# KiCad board demo_matrix2.kicad_pcb (continued)
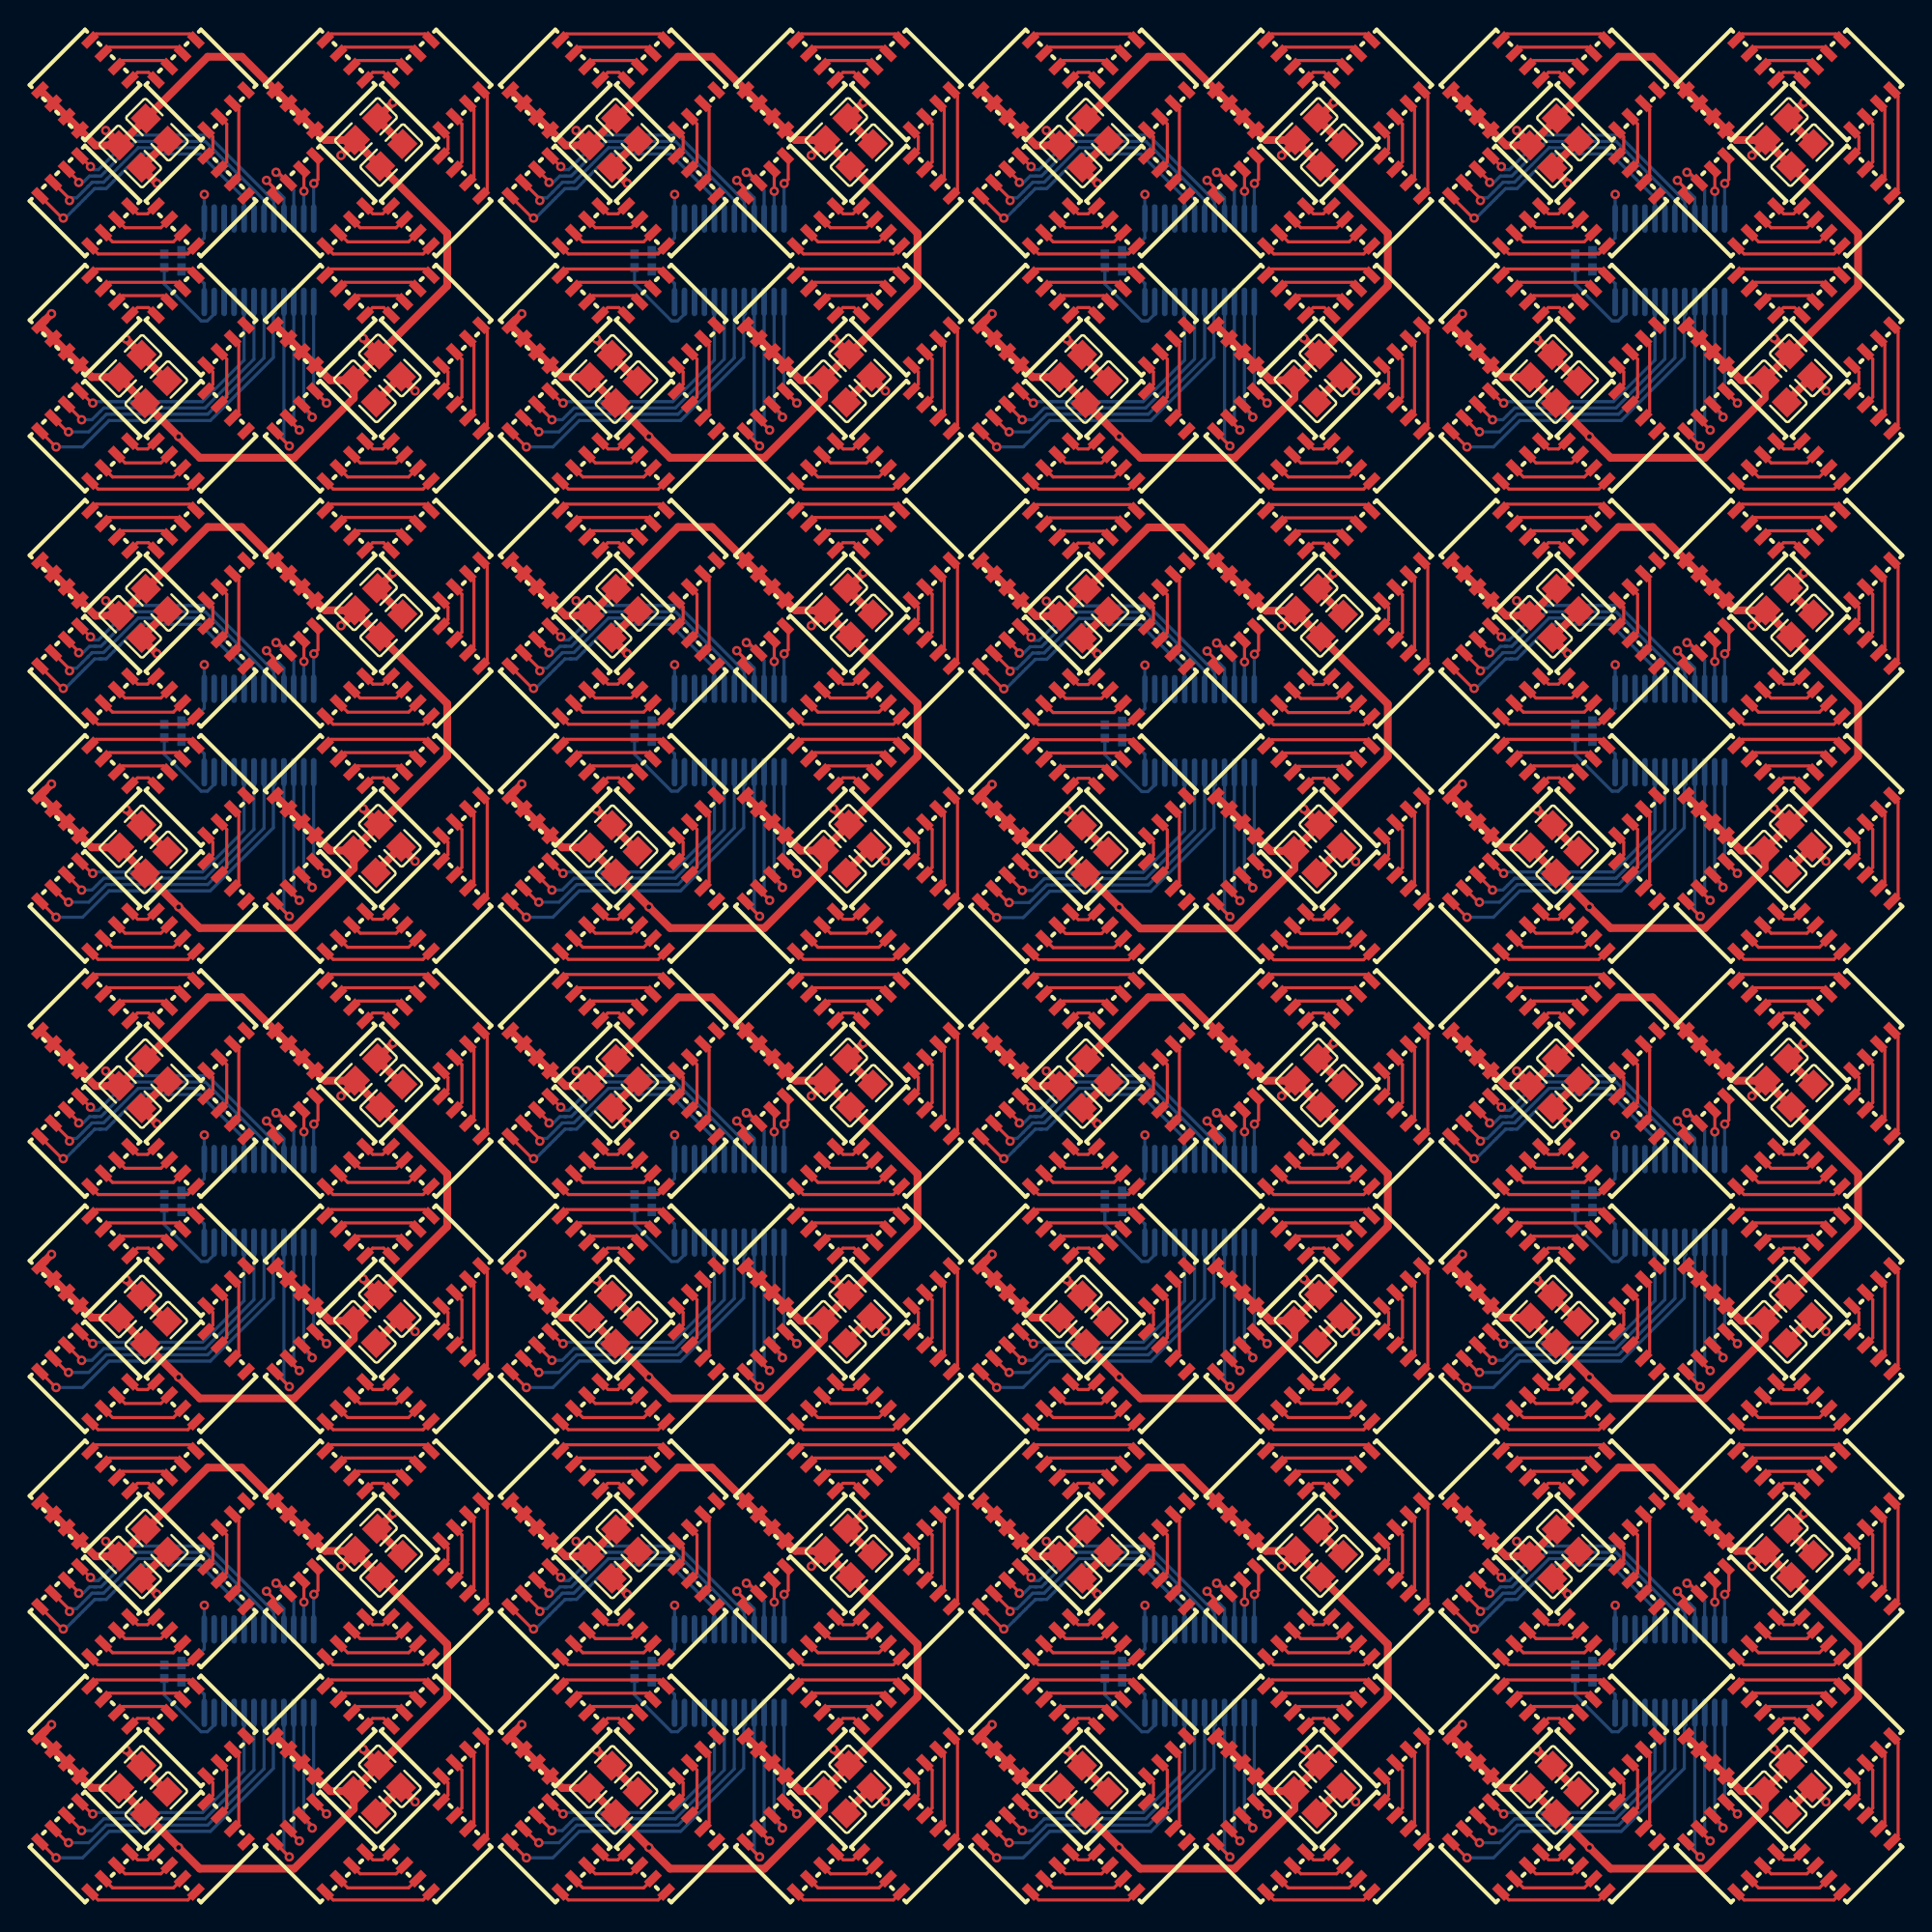
[diagram p0: board, top side]
## Placement (name value [footprint] x y rotation side) (continued)
LED131  -  [LED-SMD_8P-L5.0-W5.0-P1.20_HL-5050RGBW-S1-A27]  11.2 45 225 top
LED132  -  [LED-SMD_8P-L5.0-W5.0-P1.20_HL-5050RGBW-S1-A27]  3.8 45 135 top
LED133  -  [LED-SMD_8P-L5.0-W5.0-P1.20_HL-5050RGBW-S1-A27]  18.8 52.4 45 top
LED134  -  [LED-SMD_8P-L5.0-W5.0-P1.20_HL-5050RGBW-S1-A27]  26.2 52.4 315 top
LED135  -  [LED-SMD_8P-L5.0-W5.0-P1.20_HL-5050RGBW-S1-A27]  26.2 45 225 top
LED136  -  [LED-SMD_8P-L5.0-W5.0-P1.20_HL-5050RGBW-S1-A27]  18.8 45 135 top
LED137  -  [LED-SMD_8P-L5.0-W5.0-P1.20_HL-5050RGBW-S1-A27]  3.8 37.4 45 top
LED138  -  [LED-SMD_8P-L5.0-W5.0-P1.20_HL-5050RGBW-S1-A27]  11.2 37.4 315 top
LED139  -  [LED-SMD_8P-L5.0-W5.0-P1.20_HL-5050RGBW-S1-A27]  11.2 30 225 top
LED140  -  [LED-SMD_8P-L5.0-W5.0-P1.20_HL-5050RGBW-S1-A27]  3.8 30 135 top
LED141  -  [LED-SMD_8P-L5.0-W5.0-P1.20_HL-5050RGBW-S1-A27]  18.8 37.4 45 top
LED142  -  [LED-SMD_8P-L5.0-W5.0-P1.20_HL-5050RGBW-S1-A27]  26.2 37.4 315 top
LED143  -  [LED-SMD_8P-L5.0-W5.0-P1.20_HL-5050RGBW-S1-A27]  26.2 30 225 top
LED144  -  [LED-SMD_8P-L5.0-W5.0-P1.20_HL-5050RGBW-S1-A27]  18.8 30 135 top
LED145  -  [LED-SMD_8P-L5.0-W5.0-P1.20_HL-5050RGBW-S1-A27]  33.8 52.4 45 top
LED146  -  [LED-SMD_8P-L5.0-W5.0-P1.20_HL-5050RGBW-S1-A27]  41.2 52.4 315 top
LED147  -  [LED-SMD_8P-L5.0-W5.0-P1.20_HL-5050RGBW-S1-A27]  41.2 45 225 top
LED148  -  [LED-SMD_8P-L5.0-W5.0-P1.20_HL-5050RGBW-S1-A27]  33.8 45 135 top
LED149  -  [LED-SMD_8P-L5.0-W5.0-P1.20_HL-5050RGBW-S1-A27]  48.8 52.4 45 top
LED150  -  [LED-SMD_8P-L5.0-W5.0-P1.20_HL-5050RGBW-S1-A27]  56.2 52.4 315 top
LED151  -  [LED-SMD_8P-L5.0-W5.0-P1.20_HL-5050RGBW-S1-A27]  56.2 45 225 top
LED152  -  [LED-SMD_8P-L5.0-W5.0-P1.20_HL-5050RGBW-S1-A27]  48.8 45 135 top
LED153  -  [LED-SMD_8P-L5.0-W5.0-P1.20_HL-5050RGBW-S1-A27]  33.8 37.4 45 top
LED154  -  [LED-SMD_8P-L5.0-W5.0-P1.20_HL-5050RGBW-S1-A27]  41.2 37.4 315 top
LED155  -  [LED-SMD_8P-L5.0-W5.0-P1.20_HL-5050RGBW-S1-A27]  41.2 30 225 top
LED156  -  [LED-SMD_8P-L5.0-W5.0-P1.20_HL-5050RGBW-S1-A27]  33.8 30 135 top
LED157  -  [LED-SMD_8P-L5.0-W5.0-P1.20_HL-5050RGBW-S1-A27]  48.8 37.4 45 top
LED158  -  [LED-SMD_8P-L5.0-W5.0-P1.20_HL-5050RGBW-S1-A27]  56.2 37.4 315 top
LED159  -  [LED-SMD_8P-L5.0-W5.0-P1.20_HL-5050RGBW-S1-A27]  56.2 30 225 top
LED160  -  [LED-SMD_8P-L5.0-W5.0-P1.20_HL-5050RGBW-S1-A27]  48.8 30 135 top
LED161  -  [LED-SMD_8P-L5.0-W5.0-P1.20_HL-5050RGBW-S1-A27]  63.8 52.4 45 top
LED162  -  [LED-SMD_8P-L5.0-W5.0-P1.20_HL-5050RGBW-S1-A27]  71.2 52.4 315 top
LED163  -  [LED-SMD_8P-L5.0-W5.0-P1.20_HL-5050RGBW-S1-A27]  71.2 45 225 top
LED164  -  [LED-SMD_8P-L5.0-W5.0-P1.20_HL-5050RGBW-S1-A27]  63.8 45 135 top
LED165  -  [LED-SMD_8P-L5.0-W5.0-P1.20_HL-5050RGBW-S1-A27]  78.8 52.4 45 top
LED166  -  [LED-SMD_8P-L5.0-W5.0-P1.20_HL-5050RGBW-S1-A27]  86.2 52.4 315 top
LED167  -  [LED-SMD_8P-L5.0-W5.0-P1.20_HL-5050RGBW-S1-A27]  86.2 45 225 top
LED168  -  [LED-SMD_8P-L5.0-W5.0-P1.20_HL-5050RGBW-S1-A27]  78.8 45 135 top
LED169  -  [LED-SMD_8P-L5.0-W5.0-P1.20_HL-5050RGBW-S1-A27]  63.8 37.4 45 top
LED170  -  [LED-SMD_8P-L5.0-W5.0-P1.20_HL-5050RGBW-S1-A27]  71.2 37.4 315 top
LED171  -  [LED-SMD_8P-L5.0-W5.0-P1.20_HL-5050RGBW-S1-A27]  71.2 30 225 top
LED172  -  [LED-SMD_8P-L5.0-W5.0-P1.20_HL-5050RGBW-S1-A27]  63.8 30 135 top
LED173  -  [LED-SMD_8P-L5.0-W5.0-P1.20_HL-5050RGBW-S1-A27]  78.8 37.4 45 top
LED174  -  [LED-SMD_8P-L5.0-W5.0-P1.20_HL-5050RGBW-S1-A27]  86.2 37.4 315 top
LED175  -  [LED-SMD_8P-L5.0-W5.0-P1.20_HL-5050RGBW-S1-A27]  86.2 30 225 top
LED176  -  [LED-SMD_8P-L5.0-W5.0-P1.20_HL-5050RGBW-S1-A27]  78.8 30 135 top
LED177  -  [LED-SMD_8P-L5.0-W5.0-P1.20_HL-5050RGBW-S1-A27]  93.8 52.4 45 top
LED178  -  [LED-SMD_8P-L5.0-W5.0-P1.20_HL-5050RGBW-S1-A27]  101.2 52.4 315 top
LED179  -  [LED-SMD_8P-L5.0-W5.0-P1.20_HL-5050RGBW-S1-A27]  101.2 45 225 top
LED180  -  [LED-SMD_8P-L5.0-W5.0-P1.20_HL-5050RGBW-S1-A27]  93.8 45 135 top
LED181  -  [LED-SMD_8P-L5.0-W5.0-P1.20_HL-5050RGBW-S1-A27]  108.8 52.4 45 top
LED182  -  [LED-SMD_8P-L5.0-W5.0-P1.20_HL-5050RGBW-S1-A27]  116.2 52.4 315 top
LED183  -  [LED-SMD_8P-L5.0-W5.0-P1.20_HL-5050RGBW-S1-A27]  116.2 45 225 top
LED184  -  [LED-SMD_8P-L5.0-W5.0-P1.20_HL-5050RGBW-S1-A27]  108.8 45 135 top
LED185  -  [LED-SMD_8P-L5.0-W5.0-P1.20_HL-5050RGBW-S1-A27]  93.8 37.4 45 top
LED186  -  [LED-SMD_8P-L5.0-W5.0-P1.20_HL-5050RGBW-S1-A27]  101.2 37.4 315 top
LED187  -  [LED-SMD_8P-L5.0-W5.0-P1.20_HL-5050RGBW-S1-A27]  101.2 30 225 top
LED188  -  [LED-SMD_8P-L5.0-W5.0-P1.20_HL-5050RGBW-S1-A27]  93.8 30 135 top
LED189  -  [LED-SMD_8P-L5.0-W5.0-P1.20_HL-5050RGBW-S1-A27]  108.8 37.4 45 top
LED190  -  [LED-SMD_8P-L5.0-W5.0-P1.20_HL-5050RGBW-S1-A27]  116.2 37.4 315 top
LED191  -  [LED-SMD_8P-L5.0-W5.0-P1.20_HL-5050RGBW-S1-A27]  116.2 30 225 top
LED192  -  [LED-SMD_8P-L5.0-W5.0-P1.20_HL-5050RGBW-S1-A27]  108.8 30 135 top
LED193  -  [LED-SMD_8P-L5.0-W5.0-P1.20_HL-5050RGBW-S1-A27]  93.8 22.4 45 top
LED194  -  [LED-SMD_8P-L5.0-W5.0-P1.20_HL-5050RGBW-S1-A27]  101.2 22.4 315 top
LED195  -  [LED-SMD_8P-L5.0-W5.0-P1.20_HL-5050RGBW-S1-A27]  101.2 15 225 top
LED196  -  [LED-SMD_8P-L5.0-W5.0-P1.20_HL-5050RGBW-S1-A27]  93.8 15 135 top
LED197  -  [LED-SMD_8P-L5.0-W5.0-P1.20_HL-5050RGBW-S1-A27]  108.8 22.4 45 top
LED198  -  [LED-SMD_8P-L5.0-W5.0-P1.20_HL-5050RGBW-S1-A27]  116.2 22.4 315 top
LED199  -  [LED-SMD_8P-L5.0-W5.0-P1.20_HL-5050RGBW-S1-A27]  116.2 15 225 top
LED200  -  [LED-SMD_8P-L5.0-W5.0-P1.20_HL-5050RGBW-S1-A27]  108.8 15 135 top
LED201  -  [LED-SMD_8P-L5.0-W5.0-P1.20_HL-5050RGBW-S1-A27]  93.8 7.4 45 top
LED202  -  [LED-SMD_8P-L5.0-W5.0-P1.20_HL-5050RGBW-S1-A27]  101.2 7.4 315 top
LED203  -  [LED-SMD_8P-L5.0-W5.0-P1.20_HL-5050RGBW-S1-A27]  101.2 0 225 top
LED204  -  [LED-SMD_8P-L5.0-W5.0-P1.20_HL-5050RGBW-S1-A27]  93.8 0 135 top
LED205  -  [LED-SMD_8P-L5.0-W5.0-P1.20_HL-5050RGBW-S1-A27]  108.8 7.4 45 top
LED206  -  [LED-SMD_8P-L5.0-W5.0-P1.20_HL-5050RGBW-S1-A27]  116.2 7.4 315 top
LED207  -  [LED-SMD_8P-L5.0-W5.0-P1.20_HL-5050RGBW-S1-A27]  116.2 0 225 top
LED208  -  [LED-SMD_8P-L5.0-W5.0-P1.20_HL-5050RGBW-S1-A27]  108.8 0 135 top
LED209  -  [LED-SMD_8P-L5.0-W5.0-P1.20_HL-5050RGBW-S1-A27]  63.8 22.4 45 top
LED210  -  [LED-SMD_8P-L5.0-W5.0-P1.20_HL-5050RGBW-S1-A27]  71.2 22.4 315 top
LED211  -  [LED-SMD_8P-L5.0-W5.0-P1.20_HL-5050RGBW-S1-A27]  71.2 15 225 top
LED212  -  [LED-SMD_8P-L5.0-W5.0-P1.20_HL-5050RGBW-S1-A27]  63.8 15 135 top
LED213  -  [LED-SMD_8P-L5.0-W5.0-P1.20_HL-5050RGBW-S1-A27]  78.8 22.4 45 top
LED214  -  [LED-SMD_8P-L5.0-W5.0-P1.20_HL-5050RGBW-S1-A27]  86.2 22.4 315 top
LED215  -  [LED-SMD_8P-L5.0-W5.0-P1.20_HL-5050RGBW-S1-A27]  86.2 15 225 top
LED216  -  [LED-SMD_8P-L5.0-W5.0-P1.20_HL-5050RGBW-S1-A27]  78.8 15 135 top
LED217  -  [LED-SMD_8P-L5.0-W5.0-P1.20_HL-5050RGBW-S1-A27]  63.8 7.4 45 top
LED218  -  [LED-SMD_8P-L5.0-W5.0-P1.20_HL-5050RGBW-S1-A27]  71.2 7.4 315 top
LED219  -  [LED-SMD_8P-L5.0-W5.0-P1.20_HL-5050RGBW-S1-A27]  71.2 0 225 top
LED220  -  [LED-SMD_8P-L5.0-W5.0-P1.20_HL-5050RGBW-S1-A27]  63.8 0 135 top
LED221  -  [LED-SMD_8P-L5.0-W5.0-P1.20_HL-5050RGBW-S1-A27]  78.8 7.4 45 top
LED222  -  [LED-SMD_8P-L5.0-W5.0-P1.20_HL-5050RGBW-S1-A27]  86.2 7.4 315 top
LED223  -  [LED-SMD_8P-L5.0-W5.0-P1.20_HL-5050RGBW-S1-A27]  86.2 0 225 top
LED224  -  [LED-SMD_8P-L5.0-W5.0-P1.20_HL-5050RGBW-S1-A27]  78.8 0 135 top
LED225  -  [LED-SMD_8P-L5.0-W5.0-P1.20_HL-5050RGBW-S1-A27]  33.8 22.4 45 top
LED226  -  [LED-SMD_8P-L5.0-W5.0-P1.20_HL-5050RGBW-S1-A27]  41.2 22.4 315 top
LED227  -  [LED-SMD_8P-L5.0-W5.0-P1.20_HL-5050RGBW-S1-A27]  41.2 15 225 top
LED228  -  [LED-SMD_8P-L5.0-W5.0-P1.20_HL-5050RGBW-S1-A27]  33.8 15 135 top
LED229  -  [LED-SMD_8P-L5.0-W5.0-P1.20_HL-5050RGBW-S1-A27]  48.8 22.4 45 top
LED230  -  [LED-SMD_8P-L5.0-W5.0-P1.20_HL-5050RGBW-S1-A27]  56.2 22.4 315 top
LED231  -  [LED-SMD_8P-L5.0-W5.0-P1.20_HL-5050RGBW-S1-A27]  56.2 15 225 top
LED232  -  [LED-SMD_8P-L5.0-W5.0-P1.20_HL-5050RGBW-S1-A27]  48.8 15 135 top
LED233  -  [LED-SMD_8P-L5.0-W5.0-P1.20_HL-5050RGBW-S1-A27]  33.8 7.4 45 top
LED234  -  [LED-SMD_8P-L5.0-W5.0-P1.20_HL-5050RGBW-S1-A27]  41.2 7.4 315 top
LED235  -  [LED-SMD_8P-L5.0-W5.0-P1.20_HL-5050RGBW-S1-A27]  41.2 0 225 top
LED236  -  [LED-SMD_8P-L5.0-W5.0-P1.20_HL-5050RGBW-S1-A27]  33.8 0 135 top
LED237  -  [LED-SMD_8P-L5.0-W5.0-P1.20_HL-5050RGBW-S1-A27]  48.8 7.4 45 top
LED238  -  [LED-SMD_8P-L5.0-W5.0-P1.20_HL-5050RGBW-S1-A27]  56.2 7.4 315 top
LED239  -  [LED-SMD_8P-L5.0-W5.0-P1.20_HL-5050RGBW-S1-A27]  56.2 0 225 top
LED240  -  [LED-SMD_8P-L5.0-W5.0-P1.20_HL-5050RGBW-S1-A27]  48.8 0 135 top
LED241  -  [LED-SMD_8P-L5.0-W5.0-P1.20_HL-5050RGBW-S1-A27]  3.8 22.4 45 top
LED242  -  [LED-SMD_8P-L5.0-W5.0-P1.20_HL-5050RGBW-S1-A27]  11.2 22.4 315 top
LED243  -  [LED-SMD_8P-L5.0-W5.0-P1.20_HL-5050RGBW-S1-A27]  11.2 15 225 top
LED244  -  [LED-SMD_8P-L5.0-W5.0-P1.20_HL-5050RGBW-S1-A27]  3.8 15 135 top
LED245  -  [LED-SMD_8P-L5.0-W5.0-P1.20_HL-5050RGBW-S1-A27]  18.8 22.4 45 top
LED246  -  [LED-SMD_8P-L5.0-W5.0-P1.20_HL-5050RGBW-S1-A27]  26.2 22.4 315 top
LED247  -  [LED-SMD_8P-L5.0-W5.0-P1.20_HL-5050RGBW-S1-A27]  26.2 15 225 top
LED248  -  [LED-SMD_8P-L5.0-W5.0-P1.20_HL-5050RGBW-S1-A27]  18.8 15 135 top
LED249  -  [LED-SMD_8P-L5.0-W5.0-P1.20_HL-5050RGBW-S1-A27]  3.8 7.4 45 top
LED250  -  [LED-SMD_8P-L5.0-W5.0-P1.20_HL-5050RGBW-S1-A27]  11.2 7.4 315 top
LED251  -  [LED-SMD_8P-L5.0-W5.0-P1.20_HL-5050RGBW-S1-A27]  11.2 0 225 top
LED252  -  [LED-SMD_8P-L5.0-W5.0-P1.20_HL-5050RGBW-S1-A27]  3.8 0 135 top
LED253  -  [LED-SMD_8P-L5.0-W5.0-P1.20_HL-5050RGBW-S1-A27]  18.8 7.4 45 top
LED254  -  [LED-SMD_8P-L5.0-W5.0-P1.20_HL-5050RGBW-S1-A27]  26.2 7.4 315 top
LED255  -  [LED-SMD_8P-L5.0-W5.0-P1.20_HL-5050RGBW-S1-A27]  26.2 0 225 top
LED256  -  [LED-SMD_8P-L5.0-W5.0-P1.20_HL-5050RGBW-S1-A27]  18.8 0 135 top
R1  10kΩ ±1% 62.5mW  [R0402]  8.86 101.18 90 bottom
R2  10kΩ ±1% 62.5mW  [R0402]  38.86 101.18 90 bottom
R3  10kΩ ±1% 62.5mW  [R0402]  68.86 101.18 90 bottom
R4  10kΩ ±1% 62.5mW  [R0402]  98.86 101.18 90 bottom
R5  10kΩ ±1% 62.5mW  [R0402]  98.86 71.18 90 bottom
R6  10kΩ ±1% 62.5mW  [R0402]  68.86 71.16 90 bottom
R7  10kΩ ±1% 62.5mW  [R0402]  38.86 71.18 90 bottom
R8  10kΩ ±1% 62.5mW  [R0402]  8.86 71.18 90 bottom
R9  10kΩ ±1% 62.5mW  [R0402]  8.86 41.18 90 bottom
R10  10kΩ ±1% 62.5mW  [R0402]  38.86 41.18 90 bottom
R11  10kΩ ±1% 62.5mW  [R0402]  68.86 41.18 90 bottom
R12  10kΩ ±1% 62.5mW  [R0402]  98.86 41.18 90 bottom
R13  10kΩ ±1% 62.5mW  [R0402]  98.86 11.18 90 bottom
R14  10kΩ ±1% 62.5mW  [R0402]  68.86 11.18 90 bottom
R15  10kΩ ±1% 62.5mW  [R0402]  38.86 11.18 90 bottom
R16  10kΩ ±1% 62.5mW  [R0402]  8.86 11.18 90 bottom
U1  -  [SSOP-24_L8.8-W4.0-P0.64-LS6.2-BL]  14.9 101.22 0 bottom
U2  -  [pixel15]  0 116.2 0 top
U3  -  [pixel15]  15 116.2 0 top
U4  -  [pixel15]  0 101.2 0 top
U5  -  [pixel15]  15 101.2 0 top
U6  -  [SSOP-24_L8.8-W4.0-P0.64-LS6.2-BL]  44.9 101.22 0 bottom
U7  -  [pixel15]  30 116.2 0 top
U8  -  [pixel15]  45 116.2 0 top
U9  -  [pixel15]  30 101.2 0 top
U10  -  [pixel15]  45 101.2 0 top
U11  -  [SSOP-24_L8.8-W4.0-P0.64-LS6.2-BL]  74.9 101.22 0 bottom
U12  -  [pixel15]  60 116.2 0 top
U13  -  [pixel15]  75 116.2 0 top
U14  -  [pixel15]  60 101.2 0 top
U15  -  [pixel15]  75 101.2 0 top
U16  -  [SSOP-24_L8.8-W4.0-P0.64-LS6.2-BL]  104.9 101.22 0 bottom
U17  -  [pixel15]  90 116.2 0 top
U18  -  [pixel15]  105 116.2 0 top
U19  -  [pixel15]  90 101.2 0 top
U20  -  [pixel15]  105 101.2 0 top
U21  -  [SSOP-24_L8.8-W4.0-P0.64-LS6.2-BL]  104.9 71.22 0 bottom
U22  -  [pixel15]  90 86.2 0 top
U23  -  [pixel15]  105 86.2 0 top
U24  -  [pixel15]  90 71.2 0 top
U25  -  [pixel15]  105 71.2 0 top
U26  -  [SSOP-24_L8.8-W4.0-P0.64-LS6.2-BL]  74.9 71.2 0 bottom
U27  -  [pixel15]  60 86.17 0 top
U28  -  [pixel15]  75 86.17 0 top
U29  -  [pixel15]  60 71.17 0 top
U30  -  [pixel15]  75 71.17 0 top
U31  -  [SSOP-24_L8.8-W4.0-P0.64-LS6.2-BL]  44.9 71.22 0 bottom
U32  -  [pixel15]  30 86.2 0 top
U33  -  [pixel15]  45 86.2 0 top
U34  -  [pixel15]  30 71.2 0 top
U35  -  [pixel15]  45 71.2 0 top
U36  -  [SSOP-24_L8.8-W4.0-P0.64-LS6.2-BL]  14.9 71.22 0 bottom
U37  -  [pixel15]  0 86.2 0 top
U38  -  [pixel15]  15 86.2 0 top
U39  -  [pixel15]  0 71.2 0 top
U40  -  [pixel15]  15 71.2 0 top
U41  -  [SSOP-24_L8.8-W4.0-P0.64-LS6.2-BL]  14.9 41.22 0 bottom
U42  -  [pixel15]  0 56.2 0 top
U43  -  [pixel15]  15 56.2 0 top
U44  -  [pixel15]  0 41.2 0 top
U45  -  [pixel15]  15 41.2 0 top
U46  -  [SSOP-24_L8.8-W4.0-P0.64-LS6.2-BL]  44.9 41.22 0 bottom
U47  -  [pixel15]  30 56.2 0 top
U48  -  [pixel15]  45 56.2 0 top
U49  -  [pixel15]  30 41.2 0 top
U50  -  [pixel15]  45 41.2 0 top
U51  -  [SSOP-24_L8.8-W4.0-P0.64-LS6.2-BL]  74.9 41.22 0 bottom
U52  -  [pixel15]  60 56.2 0 top
U53  -  [pixel15]  75 56.2 0 top
U54  -  [pixel15]  60 41.2 0 top
U55  -  [pixel15]  75 41.2 0 top
U56  -  [SSOP-24_L8.8-W4.0-P0.64-LS6.2-BL]  104.9 41.22 0 bottom
U57  -  [pixel15]  90 56.2 0 top
U58  -  [pixel15]  105 56.2 0 top
U59  -  [pixel15]  90 41.2 0 top
U60  -  [pixel15]  105 41.2 0 top
U61  -  [SSOP-24_L8.8-W4.0-P0.64-LS6.2-BL]  104.9 11.22 0 bottom
U62  -  [pixel15]  90 26.2 0 top
U63  -  [pixel15]  105 26.2 0 top
U64  -  [pixel15]  90 11.2 0 top
U65  -  [pixel15]  105 11.2 0 top
U66  -  [SSOP-24_L8.8-W4.0-P0.64-LS6.2-BL]  74.9 11.22 0 bottom
U67  -  [pixel15]  60 26.2 0 top
U68  -  [pixel15]  75 26.2 0 top
U69  -  [pixel15]  60 11.2 0 top
U70  -  [pixel15]  75 11.2 0 top
U71  -  [SSOP-24_L8.8-W4.0-P0.64-LS6.2-BL]  44.9 11.22 0 bottom
U72  -  [pixel15]  30 26.2 0 top
U73  -  [pixel15]  45 26.2 0 top
U74  -  [pixel15]  30 11.2 0 top
U75  -  [pixel15]  45 11.2 0 top
U76  -  [SSOP-24_L8.8-W4.0-P0.64-LS6.2-BL]  14.9 11.22 0 bottom
U77  -  [pixel15]  0 26.2 0 top
U78  -  [pixel15]  15 26.2 0 top
U79  -  [pixel15]  0 11.2 0 top
U80  -  [pixel15]  15 11.2 0 top

## Library data of the parts
C1 = -: Datasheet: https://www.lcsc.com/datasheet/lcsc_datasheet_2304140030_Samsung-Electro-Mechanics-CL21A106KAYNNNE_C15850.pdf; checksum: 2efee64587c296a5cd0f3e349ce7cd0fc1c47f181b6484f8010775e222db87f5; __atopile_lib_fp_hash__: c5a05aaf-b100-3f7c-5a0c-497c1d001f05; LCSC: C15850; Manufacturer: Samsung Electro-Mechanics; Partnumber: CL21A106KAYNNNE; PARAM_capacitance: {"type": "Quantity_Interval_Disjoint", "data": {"intervals": {"type": "Numeric_Interval_Disjoint", "data": {"intervals": [{"type": "Numeric_Interval", "data": {"min": 8.999999985e-06, "max": 1.1000000015e-05}}]}}, "unit": "farad"}}; PARAM_max_voltage: {"type": "Quantity_Set_Discrete", "data": {"intervals": {"type": "Numeric_Interval_Disjoint", "data": {"intervals": [{"type": "Numeric_Interval", "data": {"min": 25.0, "max": 25.0}}]}}, "unit": "volt"}}; PARAM_temperature_coefficient: {"type": "EnumSet", "data": {"elements": [{"name": "X5R"}], "enum": {"name": "TemperatureCoefficient", "values": {"Y5V": 1, "Z5U": 2, "X7S": 3, "X5R": 4, "X6R": 5, "X7R": 6, "X8R": 7, "C0G": 8}}}}; atopile_address: clusters[0].decoupling_capacitors[0]; atopile_subaddresses: [elec/layout/cluster2x2/cluster2x2.kicad_pcb:decoupling_capacitors[0]]
C2 = -: Datasheet: https://www.lcsc.com/datasheet/lcsc_datasheet_2304140030_Samsung-Electro-Mechanics-CL21A106KAYNNNE_C15850.pdf; checksum: 2efee64587c296a5cd0f3e349ce7cd0fc1c47f181b6484f8010775e222db87f5; __atopile_lib_fp_hash__: c5a05aaf-b100-3f7c-5a0c-497c1d001f05; LCSC: C15850; Manufacturer: Samsung Electro-Mechanics; Partnumber: CL21A106KAYNNNE; PARAM_capacitance: {"type": "Quantity_Interval_Disjoint", "data": {"intervals": {"type": "Numeric_Interval_Disjoint", "data": {"intervals": [{"type": "Numeric_Interval", "data": {"min": 8.999999985e-06, "max": 1.1000000015e-05}}]}}, "unit": "farad"}}; PARAM_max_voltage: {"type": "Quantity_Set_Discrete", "data": {"intervals": {"type": "Numeric_Interval_Disjoint", "data": {"intervals": [{"type": "Numeric_Interval", "data": {"min": 25.0, "max": 25.0}}]}}, "unit": "volt"}}; PARAM_temperature_coefficient: {"type": "EnumSet", "data": {"elements": [{"name": "X5R"}], "enum": {"name": "TemperatureCoefficient", "values": {"Y5V": 1, "Z5U": 2, "X7S": 3, "X5R": 4, "X6R": 5, "X7R": 6, "X8R": 7, "C0G": 8}}}}; atopile_address: clusters[0].decoupling_capacitors[1]; atopile_subaddresses: [elec/layout/cluster2x2/cluster2x2.kicad_pcb:decoupling_capacitors[1]]
C3 = -: Datasheet: https://www.lcsc.com/datasheet/lcsc_datasheet_2304140030_Samsung-Electro-Mechanics-CL21A106KAYNNNE_C15850.pdf; checksum: 2efee64587c296a5cd0f3e349ce7cd0fc1c47f181b6484f8010775e222db87f5; __atopile_lib_fp_hash__: c5a05aaf-b100-3f7c-5a0c-497c1d001f05; LCSC: C15850; Manufacturer: Samsung Electro-Mechanics; Partnumber: CL21A106KAYNNNE; PARAM_capacitance: {"type": "Quantity_Interval_Disjoint", "data": {"intervals": {"type": "Numeric_Interval_Disjoint", "data": {"intervals": [{"type": "Numeric_Interval", "data": {"min": 8.999999985e-06, "max": 1.1000000015e-05}}]}}, "unit": "farad"}}; PARAM_max_voltage: {"type": "Quantity_Set_Discrete", "data": {"intervals": {"type": "Numeric_Interval_Disjoint", "data": {"intervals": [{"type": "Numeric_Interval", "data": {"min": 25.0, "max": 25.0}}]}}, "unit": "volt"}}; PARAM_temperature_coefficient: {"type": "EnumSet", "data": {"elements": [{"name": "X5R"}], "enum": {"name": "TemperatureCoefficient", "values": {"Y5V": 1, "Z5U": 2, "X7S": 3, "X5R": 4, "X6R": 5, "X7R": 6, "X8R": 7, "C0G": 8}}}}; atopile_address: clusters[0].decoupling_capacitors[2]; atopile_subaddresses: [elec/layout/cluster2x2/cluster2x2.kicad_pcb:decoupling_capacitors[2]]
C4 = -: Datasheet: https://www.lcsc.com/datasheet/lcsc_datasheet_2304140030_Samsung-Electro-Mechanics-CL21A106KAYNNNE_C15850.pdf; checksum: 2efee64587c296a5cd0f3e349ce7cd0fc1c47f181b6484f8010775e222db87f5; __atopile_lib_fp_hash__: c5a05aaf-b100-3f7c-5a0c-497c1d001f05; LCSC: C15850; Manufacturer: Samsung Electro-Mechanics; Partnumber: CL21A106KAYNNNE; PARAM_capacitance: {"type": "Quantity_Interval_Disjoint", "data": {"intervals": {"type": "Numeric_Interval_Disjoint", "data": {"intervals": [{"type": "Numeric_Interval", "data": {"min": 8.999999985e-06, "max": 1.1000000015e-05}}]}}, "unit": "farad"}}; PARAM_max_voltage: {"type": "Quantity_Set_Discrete", "data": {"intervals": {"type": "Numeric_Interval_Disjoint", "data": {"intervals": [{"type": "Numeric_Interval", "data": {"min": 25.0, "max": 25.0}}]}}, "unit": "volt"}}; PARAM_temperature_coefficient: {"type": "EnumSet", "data": {"elements": [{"name": "X5R"}], "enum": {"name": "TemperatureCoefficient", "values": {"Y5V": 1, "Z5U": 2, "X7S": 3, "X5R": 4, "X6R": 5, "X7R": 6, "X8R": 7, "C0G": 8}}}}; atopile_address: clusters[0].decoupling_capacitors[3]; atopile_subaddresses: [elec/layout/cluster2x2/cluster2x2.kicad_pcb:decoupling_capacitors[3]]
C5 = -: Datasheet: https://www.lcsc.com/datasheet/lcsc_datasheet_2304140030_Samsung-Electro-Mechanics-CL21A106KAYNNNE_C15850.pdf; checksum: 2efee64587c296a5cd0f3e349ce7cd0fc1c47f181b6484f8010775e222db87f5; __atopile_lib_fp_hash__: c5a05aaf-b100-3f7c-5a0c-497c1d001f05; LCSC: C15850; Manufacturer: Samsung Electro-Mechanics; Partnumber: CL21A106KAYNNNE; PARAM_capacitance: {"type": "Quantity_Interval_Disjoint", "data": {"intervals": {"type": "Numeric_Interval_Disjoint", "data": {"intervals": [{"type": "Numeric_Interval", "data": {"min": 8.999999985e-06, "max": 1.1000000015e-05}}]}}, "unit": "farad"}}; PARAM_max_voltage: {"type": "Quantity_Set_Discrete", "data": {"intervals": {"type": "Numeric_Interval_Disjoint", "data": {"intervals": [{"type": "Numeric_Interval", "data": {"min": 25.0, "max": 25.0}}]}}, "unit": "volt"}}; PARAM_temperature_coefficient: {"type": "EnumSet", "data": {"elements": [{"name": "X5R"}], "enum": {"name": "TemperatureCoefficient", "values": {"Y5V": 1, "Z5U": 2, "X7S": 3, "X5R": 4, "X6R": 5, "X7R": 6, "X8R": 7, "C0G": 8}}}}; atopile_address: clusters[0].decoupling_capacitors[4]; atopile_subaddresses: [elec/layout/cluster2x2/cluster2x2.kicad_pcb:decoupling_capacitors[4]]
C6 = -: Datasheet: https://www.lcsc.com/datasheet/lcsc_datasheet_2304140030_Samsung-Electro-Mechanics-CL21A106KAYNNNE_C15850.pdf; checksum: 2efee64587c296a5cd0f3e349ce7cd0fc1c47f181b6484f8010775e222db87f5; __atopile_lib_fp_hash__: c5a05aaf-b100-3f7c-5a0c-497c1d001f05; LCSC: C15850; Manufacturer: Samsung Electro-Mechanics; Partnumber: CL21A106KAYNNNE; PARAM_capacitance: {"type": "Quantity_Interval_Disjoint", "data": {"intervals": {"type": "Numeric_Interval_Disjoint", "data": {"intervals": [{"type": "Numeric_Interval", "data": {"min": 8.999999985e-06, "max": 1.1000000015e-05}}]}}, "unit": "farad"}}; PARAM_max_voltage: {"type": "Quantity_Set_Discrete", "data": {"intervals": {"type": "Numeric_Interval_Disjoint", "data": {"intervals": [{"type": "Numeric_Interval", "data": {"min": 25.0, "max": 25.0}}]}}, "unit": "volt"}}; PARAM_temperature_coefficient: {"type": "EnumSet", "data": {"elements": [{"name": "X5R"}], "enum": {"name": "TemperatureCoefficient", "values": {"Y5V": 1, "Z5U": 2, "X7S": 3, "X5R": 4, "X6R": 5, "X7R": 6, "X8R": 7, "C0G": 8}}}}; atopile_address: clusters[0].decoupling_capacitors[5]; atopile_subaddresses: [elec/layout/cluster2x2/cluster2x2.kicad_pcb:decoupling_capacitors[5]]
C7 = -: Datasheet: https://www.lcsc.com/datasheet/lcsc_datasheet_2304140030_Samsung-Electro-Mechanics-CL21A106KAYNNNE_C15850.pdf; checksum: 2efee64587c296a5cd0f3e349ce7cd0fc1c47f181b6484f8010775e222db87f5; __atopile_lib_fp_hash__: c5a05aaf-b100-3f7c-5a0c-497c1d001f05; LCSC: C15850; Manufacturer: Samsung Electro-Mechanics; Partnumber: CL21A106KAYNNNE; PARAM_capacitance: {"type": "Quantity_Interval_Disjoint", "data": {"intervals": {"type": "Numeric_Interval_Disjoint", "data": {"intervals": [{"type": "Numeric_Interval", "data": {"min": 8.999999985e-06, "max": 1.1000000015e-05}}]}}, "unit": "farad"}}; PARAM_max_voltage: {"type": "Quantity_Set_Discrete", "data": {"intervals": {"type": "Numeric_Interval_Disjoint", "data": {"intervals": [{"type": "Numeric_Interval", "data": {"min": 25.0, "max": 25.0}}]}}, "unit": "volt"}}; PARAM_temperature_coefficient: {"type": "EnumSet", "data": {"elements": [{"name": "X5R"}], "enum": {"name": "TemperatureCoefficient", "values": {"Y5V": 1, "Z5U": 2, "X7S": 3, "X5R": 4, "X6R": 5, "X7R": 6, "X8R": 7, "C0G": 8}}}}; atopile_address: clusters[0].decoupling_capacitors[6]; atopile_subaddresses: [elec/layout/cluster2x2/cluster2x2.kicad_pcb:decoupling_capacitors[6]]
C8 = -: Datasheet: https://www.lcsc.com/datasheet/lcsc_datasheet_2304140030_Samsung-Electro-Mechanics-CL21A106KAYNNNE_C15850.pdf; checksum: 2efee64587c296a5cd0f3e349ce7cd0fc1c47f181b6484f8010775e222db87f5; __atopile_lib_fp_hash__: c5a05aaf-b100-3f7c-5a0c-497c1d001f05; LCSC: C15850; Manufacturer: Samsung Electro-Mechanics; Partnumber: CL21A106KAYNNNE; PARAM_capacitance: {"type": "Quantity_Interval_Disjoint", "data": {"intervals": {"type": "Numeric_Interval_Disjoint", "data": {"intervals": [{"type": "Numeric_Interval", "data": {"min": 8.999999985e-06, "max": 1.1000000015e-05}}]}}, "unit": "farad"}}; PARAM_max_voltage: {"type": "Quantity_Set_Discrete", "data": {"intervals": {"type": "Numeric_Interval_Disjoint", "data": {"intervals": [{"type": "Numeric_Interval", "data": {"min": 25.0, "max": 25.0}}]}}, "unit": "volt"}}; PARAM_temperature_coefficient: {"type": "EnumSet", "data": {"elements": [{"name": "X5R"}], "enum": {"name": "TemperatureCoefficient", "values": {"Y5V": 1, "Z5U": 2, "X7S": 3, "X5R": 4, "X6R": 5, "X7R": 6, "X8R": 7, "C0G": 8}}}}; atopile_address: clusters[0].decoupling_capacitors[7]; atopile_subaddresses: [elec/layout/cluster2x2/cluster2x2.kicad_pcb:decoupling_capacitors[7]]
C9 = -: Datasheet: https://www.lcsc.com/datasheet/lcsc_datasheet_2304140030_Samsung-Electro-Mechanics-CL05B104KO5NNNC_C1525.pdf; checksum: f44defb5d0b15709affa4e668c343aa5b66387b7b77dbacc33fdf9ee361d8b21; __atopile_lib_fp_hash__: 67d786e5-5646-2efc-51a4-54c2d5086318; LCSC: C1525; Manufacturer: Samsung Electro-Mechanics; Partnumber: CL05B104KO5NNNC; PARAM_capacitance: {"type": "Quantity_Interval_Disjoint", "data": {"intervals": {"type": "Numeric_Interval_Disjoint", "data": {"intervals": [{"type": "Numeric_Interval", "data": {"min": 9e-08, "max": 1.1e-07}}]}}, "unit": "farad"}}; PARAM_max_voltage: {"type": "Quantity_Set_Discrete", "data": {"intervals": {"type": "Numeric_Interval_Disjoint", "data": {"intervals": [{"type": "Numeric_Interval", "data": {"min": 16.0, "max": 16.0}}]}}, "unit": "volt"}}; PARAM_temperature_coefficient: {"type": "EnumSet", "data": {"elements": [{"name": "X7R"}], "enum": {"name": "TemperatureCoefficient", "values": {"Y5V": 1, "Z5U": 2, "X7S": 3, "X5R": 4, "X6R": 5, "X7R": 6, "X8R": 7, "C0G": 8}}}}; atopile_address: clusters[0].driver.bypass_capacitor; atopile_subaddresses: [elec/layout/cluster2x2/cluster2x2.kicad_pcb:driver.bypass_capacitor, elec/src/macroblock-mbi5043/layouts/default/default.kicad_pcb:bypass_capacitor]
C10 = -: Datasheet: https://www.lcsc.com/datasheet/lcsc_datasheet_2304140030_Samsung-Electro-Mechanics-CL21A106KAYNNNE_C15850.pdf; checksum: 2efee64587c296a5cd0f3e349ce7cd0fc1c47f181b6484f8010775e222db87f5; __atopile_lib_fp_hash__: c5a05aaf-b100-3f7c-5a0c-497c1d001f05; LCSC: C15850; Manufacturer: Samsung Electro-Mechanics; Partnumber: CL21A106KAYNNNE; PARAM_capacitance: {"type": "Quantity_Interval_Disjoint", "data": {"intervals": {"type": "Numeric_Interval_Disjoint", "data": {"intervals": [{"type": "Numeric_Interval", "data": {"min": 8.999999985e-06, "max": 1.1000000015e-05}}]}}, "unit": "farad"}}; PARAM_max_voltage: {"type": "Quantity_Set_Discrete", "data": {"intervals": {"type": "Numeric_Interval_Disjoint", "data": {"intervals": [{"type": "Numeric_Interval", "data": {"min": 25.0, "max": 25.0}}]}}, "unit": "volt"}}; PARAM_temperature_coefficient: {"type": "EnumSet", "data": {"elements": [{"name": "X5R"}], "enum": {"name": "TemperatureCoefficient", "values": {"Y5V": 1, "Z5U": 2, "X7S": 3, "X5R": 4, "X6R": 5, "X7R": 6, "X8R": 7, "C0G": 8}}}}; atopile_address: clusters[1].decoupling_capacitors[0]; atopile_subaddresses: [elec/layout/cluster2x2/cluster2x2.kicad_pcb:decoupling_capacitors[0]]
C11 = -: Datasheet: https://www.lcsc.com/datasheet/lcsc_datasheet_2304140030_Samsung-Electro-Mechanics-CL21A106KAYNNNE_C15850.pdf; checksum: 2efee64587c296a5cd0f3e349ce7cd0fc1c47f181b6484f8010775e222db87f5; __atopile_lib_fp_hash__: c5a05aaf-b100-3f7c-5a0c-497c1d001f05; LCSC: C15850; Manufacturer: Samsung Electro-Mechanics; Partnumber: CL21A106KAYNNNE; PARAM_capacitance: {"type": "Quantity_Interval_Disjoint", "data": {"intervals": {"type": "Numeric_Interval_Disjoint", "data": {"intervals": [{"type": "Numeric_Interval", "data": {"min": 8.999999985e-06, "max": 1.1000000015e-05}}]}}, "unit": "farad"}}; PARAM_max_voltage: {"type": "Quantity_Set_Discrete", "data": {"intervals": {"type": "Numeric_Interval_Disjoint", "data": {"intervals": [{"type": "Numeric_Interval", "data": {"min": 25.0, "max": 25.0}}]}}, "unit": "volt"}}; PARAM_temperature_coefficient: {"type": "EnumSet", "data": {"elements": [{"name": "X5R"}], "enum": {"name": "TemperatureCoefficient", "values": {"Y5V": 1, "Z5U": 2, "X7S": 3, "X5R": 4, "X6R": 5, "X7R": 6, "X8R": 7, "C0G": 8}}}}; atopile_address: clusters[1].decoupling_capacitors[1]; atopile_subaddresses: [elec/layout/cluster2x2/cluster2x2.kicad_pcb:decoupling_capacitors[1]]
C12 = -: Datasheet: https://www.lcsc.com/datasheet/lcsc_datasheet_2304140030_Samsung-Electro-Mechanics-CL21A106KAYNNNE_C15850.pdf; checksum: 2efee64587c296a5cd0f3e349ce7cd0fc1c47f181b6484f8010775e222db87f5; __atopile_lib_fp_hash__: c5a05aaf-b100-3f7c-5a0c-497c1d001f05; LCSC: C15850; Manufacturer: Samsung Electro-Mechanics; Partnumber: CL21A106KAYNNNE; PARAM_capacitance: {"type": "Quantity_Interval_Disjoint", "data": {"intervals": {"type": "Numeric_Interval_Disjoint", "data": {"intervals": [{"type": "Numeric_Interval", "data": {"min": 8.999999985e-06, "max": 1.1000000015e-05}}]}}, "unit": "farad"}}; PARAM_max_voltage: {"type": "Quantity_Set_Discrete", "data": {"intervals": {"type": "Numeric_Interval_Disjoint", "data": {"intervals": [{"type": "Numeric_Interval", "data": {"min": 25.0, "max": 25.0}}]}}, "unit": "volt"}}; PARAM_temperature_coefficient: {"type": "EnumSet", "data": {"elements": [{"name": "X5R"}], "enum": {"name": "TemperatureCoefficient", "values": {"Y5V": 1, "Z5U": 2, "X7S": 3, "X5R": 4, "X6R": 5, "X7R": 6, "X8R": 7, "C0G": 8}}}}; atopile_address: clusters[1].decoupling_capacitors[2]; atopile_subaddresses: [elec/layout/cluster2x2/cluster2x2.kicad_pcb:decoupling_capacitors[2]]
C13 = -: Datasheet: https://www.lcsc.com/datasheet/lcsc_datasheet_2304140030_Samsung-Electro-Mechanics-CL21A106KAYNNNE_C15850.pdf; checksum: 2efee64587c296a5cd0f3e349ce7cd0fc1c47f181b6484f8010775e222db87f5; __atopile_lib_fp_hash__: c5a05aaf-b100-3f7c-5a0c-497c1d001f05; LCSC: C15850; Manufacturer: Samsung Electro-Mechanics; Partnumber: CL21A106KAYNNNE; PARAM_capacitance: {"type": "Quantity_Interval_Disjoint", "data": {"intervals": {"type": "Numeric_Interval_Disjoint", "data": {"intervals": [{"type": "Numeric_Interval", "data": {"min": 8.999999985e-06, "max": 1.1000000015e-05}}]}}, "unit": "farad"}}; PARAM_max_voltage: {"type": "Quantity_Set_Discrete", "data": {"intervals": {"type": "Numeric_Interval_Disjoint", "data": {"intervals": [{"type": "Numeric_Interval", "data": {"min": 25.0, "max": 25.0}}]}}, "unit": "volt"}}; PARAM_temperature_coefficient: {"type": "EnumSet", "data": {"elements": [{"name": "X5R"}], "enum": {"name": "TemperatureCoefficient", "values": {"Y5V": 1, "Z5U": 2, "X7S": 3, "X5R": 4, "X6R": 5, "X7R": 6, "X8R": 7, "C0G": 8}}}}; atopile_address: clusters[1].decoupling_capacitors[3]; atopile_subaddresses: [elec/layout/cluster2x2/cluster2x2.kicad_pcb:decoupling_capacitors[3]]
C14 = -: Datasheet: https://www.lcsc.com/datasheet/lcsc_datasheet_2304140030_Samsung-Electro-Mechanics-CL21A106KAYNNNE_C15850.pdf; checksum: 2efee64587c296a5cd0f3e349ce7cd0fc1c47f181b6484f8010775e222db87f5; __atopile_lib_fp_hash__: c5a05aaf-b100-3f7c-5a0c-497c1d001f05; LCSC: C15850; Manufacturer: Samsung Electro-Mechanics; Partnumber: CL21A106KAYNNNE; PARAM_capacitance: {"type": "Quantity_Interval_Disjoint", "data": {"intervals": {"type": "Numeric_Interval_Disjoint", "data": {"intervals": [{"type": "Numeric_Interval", "data": {"min": 8.999999985e-06, "max": 1.1000000015e-05}}]}}, "unit": "farad"}}; PARAM_max_voltage: {"type": "Quantity_Set_Discrete", "data": {"intervals": {"type": "Numeric_Interval_Disjoint", "data": {"intervals": [{"type": "Numeric_Interval", "data": {"min": 25.0, "max": 25.0}}]}}, "unit": "volt"}}; PARAM_temperature_coefficient: {"type": "EnumSet", "data": {"elements": [{"name": "X5R"}], "enum": {"name": "TemperatureCoefficient", "values": {"Y5V": 1, "Z5U": 2, "X7S": 3, "X5R": 4, "X6R": 5, "X7R": 6, "X8R": 7, "C0G": 8}}}}; atopile_address: clusters[1].decoupling_capacitors[4]; atopile_subaddresses: [elec/layout/cluster2x2/cluster2x2.kicad_pcb:decoupling_capacitors[4]]
C15 = -: Datasheet: https://www.lcsc.com/datasheet/lcsc_datasheet_2304140030_Samsung-Electro-Mechanics-CL21A106KAYNNNE_C15850.pdf; checksum: 2efee64587c296a5cd0f3e349ce7cd0fc1c47f181b6484f8010775e222db87f5; __atopile_lib_fp_hash__: c5a05aaf-b100-3f7c-5a0c-497c1d001f05; LCSC: C15850; Manufacturer: Samsung Electro-Mechanics; Partnumber: CL21A106KAYNNNE; PARAM_capacitance: {"type": "Quantity_Interval_Disjoint", "data": {"intervals": {"type": "Numeric_Interval_Disjoint", "data": {"intervals": [{"type": "Numeric_Interval", "data": {"min": 8.999999985e-06, "max": 1.1000000015e-05}}]}}, "unit": "farad"}}; PARAM_max_voltage: {"type": "Quantity_Set_Discrete", "data": {"intervals": {"type": "Numeric_Interval_Disjoint", "data": {"intervals": [{"type": "Numeric_Interval", "data": {"min": 25.0, "max": 25.0}}]}}, "unit": "volt"}}; PARAM_temperature_coefficient: {"type": "EnumSet", "data": {"elements": [{"name": "X5R"}], "enum": {"name": "TemperatureCoefficient", "values": {"Y5V": 1, "Z5U": 2, "X7S": 3, "X5R": 4, "X6R": 5, "X7R": 6, "X8R": 7, "C0G": 8}}}}; atopile_address: clusters[1].decoupling_capacitors[5]; atopile_subaddresses: [elec/layout/cluster2x2/cluster2x2.kicad_pcb:decoupling_capacitors[5]]
